# KiCad board hw-openmower-sabo.kicad_pcb (continued)
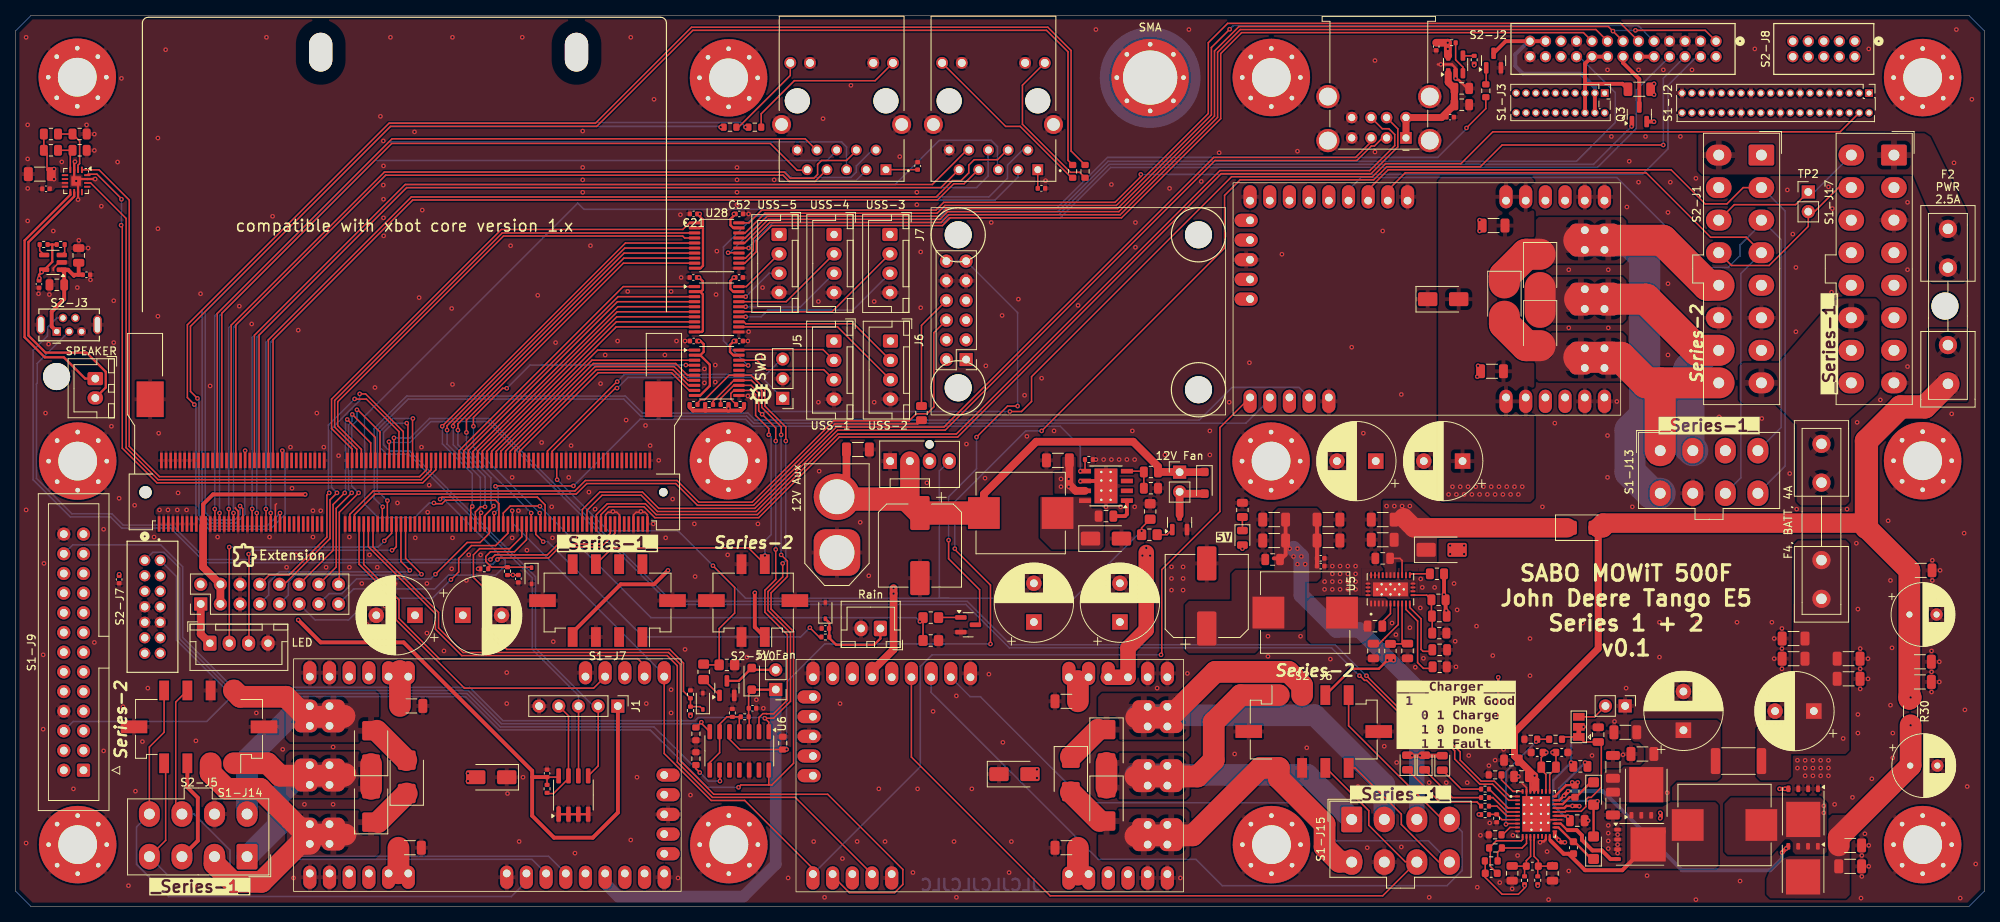
[diagram p0: board, top side]
## Routing (per net, layer and track width the routed paths; a pad name or vN(x,y) marks a point on that pad's centre or on a via; arc(x,y) is an arc through that point) (continued)
/V_CHARGE: length 344.1
  Top w0.2: v1(197.47,19.88) 196.82,19.23 C85.2 ; 196.82,17.66 197.42,17.06 U27.30 ; R54.2 64.86,42.77 ; C79.1 195.22,17.58
  Top w0.3: 195.92,16.88 196.42,16.38 U27.32 ; 195.92,16.88 195.42,16.38 U27.34 ; 195.92,16.88 U27.33 ; v1(191.27,29.58) 191.27,24.48 193.27,22.48 193.37,22.48
  Top w0.9: v1(195.97,16.88) 195.97,15.33 195.92,15.28 ; D28.2 204.17,33.28 193.37,22.48 193.37,19.43 C80.1 195.92,16.88
  Top w2.5: 238.21,49.48 204.77,49.48 D28.2 204.77,48.88 205.27,49.38
  Top w2.8: 244.31,26.81 244.31,26.82 v1(244.47,26.98) 244.31,27.15 R22.1 238.21,49.48
  Top w3: F2.2 246.31,64.48 243.17,64.48 238.77,60.08 238.77,48.92
  In2.Cu-PWR w0.2: v1(197.47,19.88) 197.47,19.93 198.12,20.58 231.37,20.58 234.57,23.78 241.37,23.78 244.47,26.88 v1(244.47,26.98)
  In2.Cu-PWR w0.3: v1(195.97,16.88) 195.17,16.88 190.17,11.88 v1(188.77,11.88) ; v1(191.27,29.58) 190.77,30.08 177.37,30.08 163.17,44.28 162.07,43.18 148.85,43.18 147.75,44.28 127.47,44.28 121.97,38.78 68.17,38.78 v1(64.17,42.78)
/~{WC}: length 13.1
  Top w0.2: 68.57,14.57 69.4,14.57 71.33,16.51 ; 70.09,25.86 71.33,24.61 71.33,16.86
Net-(D1-K): length 1.7
  Top w0.2: R19.1 D1.1
Net-(D2-A): length 15.2
  Top w0.3: D26.2 D2.2
  Bottom w0.3: v1(202.47,18.58) 199.11,15.22 199.11,14.03 199.49,13.65 204.01,13.65 v1(204.07,13.58)
Net-(D2-K): length 6.2
  Top w0.3: 200.89,8.36 199.04,10.21 U27.20 ; 201.09,8.36 203.32,6.13
Net-(D5-K): length 6
  Top w0.2: R34.1 186.5,15.16 184.06,17.6
Net-(D6-K): length 8.8
  Top w0.2: D6.1 185.36,14.06 R35.1
Net-(D21-K): length 11.3
  Top w0.3: 104.98,34.71 104.98,36.62 D21.1 ; 104.95,34.68 105.85,33.78 110.77,33.78 111.57,34.58 J17.1
Net-(D22-A): length 6.8
  Top w0.3: Q4.3 93.31,29.12 D22.2 ; 95.27,30.78 95.5,30.55 98.07,30.55
Net-(D25-A): length 6
  Top w1: D25.2 150.4,53.28 ; Q5.3 M2.2
Net-(D26-K): length 5.7
  Top w0.3: U27.26 199.59,13.21 200.49,14.11 C76.2 ; 201.29,14.11 203.22,16.03
Net-(D29-K): length 11.4
  Top w0.2: R76.1 188.53,13.48 183.73,13.48 D29.1
Net-(J16-VBUS1): length 14
  Top w0.9: J16.1 J16.5 183.96,101.82 C4.1 C3.1 184.82,106.38 U1.1
Net-(J23-P1): length 2.4
  Top w0.2: C22.2 131.87,95.09
Net-(J23-Pad11): length 20.1
  Top w0.2: J23.11 129.89,106 129.89,100.96 136.09,94.76 137.27,94.76 R11.2
Net-(J23-Pad14): length 22.8
  Top w0.2: 136.23,94.06 129.6,100.68 127.73,100.68 J23.14
Net-(J24-P1): length 4.1
  Top w0.2: C23.2 112.3,95.1
Net-(J24-Pad11): length 21.4
  Top w0.2: J24.11 110.89,106.58 100.47,106.58 96.19,102.31 R13.2
Net-(J24-Pad14): length 11.1
  Top w0.2: J24.14 99.94,107.26 93.27,100.58
Net-(JP1-B): length 4
  Top w0.2: JP1.3 203.7,24.48 TP1.2
Net-(Q1-D): length 58.3
  Top w0.2: 124.37,36.38 124.37,40.88 120.37,44.88 v1(120.37,47.28) ; v1(129.27,64.58) 127.97,64.58 v1(123.97,60.58)
  Bottom w0.2: v1(129.27,64.58) 129.27,76.65 U13.6 U13.12 ; v1(120.37,47.28) 120.37,52.88 123.97,56.48 v1(123.97,60.58)
Net-(Q1-G): length 2.8
  Top w0.2: 119.19,37.31 Q1.1
Net-(Q2-G): length 2.1
  Top w0.2: Q2.1 189.72,106.16
Net-(Q4-G): length 2.9
  Top w0.2: 88.78,29.28 Q4.1
Net-(Q5-G): length 2.2
  Top w0.2: R65.2 148.56,47.98 Q5.1
Net-(Q6-D): length 72.4
  Top w0.2: C85.1 198.72,19.43 v1(198.27,19.88) ; 197.91,14.87 197.91,17.02 198.72,17.83
  Top w2.8: v1(244.47,23.38) 244.47,18.24 C61.1 244.42,18.13 235.19,8.91 235.19,7.88
  In2.Cu-PWR w0.2: v1(244.47,23.38) 234.74,23.38 231.54,20.18 198.57,20.18 v1(198.27,19.88)
Net-(Q6-G): length 39
  Top w0.3: U27.27 199.17,13.71 v1(199.76,14.3) 199.73,14.3 199.36,13.92 ; v1(228.41,7.48) Q6.4
  Top w0.508: 199.76,14.32 200.27,14.83 ; v1(227.89,6.96) Q6.4
  Bottom w0.508: v1(199.76,14.3) 200.35,14.88 204.77,14.88 214.97,4.68 226.37,4.68 227.89,6.2 v1(227.89,6.96) v1(228.41,7.48)
  vias: v1(200.27,14.88)
Net-(Q7-D): length 40.6
  Top w0.3: U27.28 200.02,15.66 C76.1
  In2.Cu-PWR w1.016: v1(201.52,16.01) v1(200.82,16.01) 201.6,16.01 204.07,18.48 227.67,18.48 233.17,12.98 v1(233.27,12.98) v1(233.27,12.08)
Net-(Q7-G): length 34.1
  Top w0.3: U27.25 199.79,12.71 200.07,12.98 v1(200.84,12.98)
  Top w0.508: v1(200.84,12.98) 201.7,12.98 ; v1(227.57,15.18) Q7.4 v1(228.27,15.18)
  In2.Cu-PWR w1.016: v1(200.84,12.98) 201.77,12.98 205.07,16.28 226.47,16.28 v1(227.57,15.18) v1(228.27,15.18)
  vias: v1(201.73,12.95)
Net-(Q8-D): length 25.1
  In2.Cu-PWR w0.5: v1(196.37,2.68) 205.67,2.68 213.97,10.98 213.97,13.78 v1(213.07,14.68)
Net-(Q8-G): length 18
  Top w0.5: v1(199.87,8.28) 199.37,8.28 v1(199.07,8.58) 198.57,9.08 198.57,9.48
  In2.Cu-PWR w1.016: v1(212.17,12.08) v1(212.17,11.38) 212.08,11.48 205.05,11.48 204.46,10.89 204.46,10.87 202.17,8.58 v1(199.07,8.58) 199.57,8.58 v1(199.87,8.28)
Net-(Q9-D): length 18.5
  Top w0.3: U27.18 197.92,8.6 198.03,8.48
  Top w0.5: 211.01,8.02 212.66,9.67
  Top w0.508: 198.03,8.48 199.71,6.81 200.34,6.81 202.47,4.68 207.28,4.68 Q9.5
Net-(Q9-G): length 10.3
  Top w0.3: 200.17,9.86 199.32,10.71 U27.21
  Top w0.508: Q9.4 205.75,6.11 204.63,7.24 203.42,7.24 202.07,8.58 202.07,9.18 201.4,9.86 200.24,9.86
Net-(S2-J2-Pin_6): length 193.2
  Top w0.2: U6.5 92.1,21.58 93.42,20.26 99.45,20.26 v1(99.47,20.28) ; v1(212.57,98.28) 191.77,98.28 188.97,95.48 176.9,95.48 175.2,93.78 157.97,93.78 155.97,91.78 155.97,84.98 v1(132.37,61.38) ; v1(125.77,33.88) 125.77,41.48 121.17,46.08 v1(121.17,46.18)
  Bottom w0.2: v1(121.17,46.18) 121.17,52.23 130.32,61.38 v1(132.37,61.38) ; S2-J2.6 212.57,106.88 v1(212.57,98.28) ; v1(125.77,33.88) 104.39,33.88 99.47,28.96 v1(99.47,20.28)
Net-(S2-J3-VBUS): length 13.7
  Top w0.5: S2-J3.1 4.67,74.86 4.67,76.78 6.28,78.4 C6.1 6.28,81.87 U2.1 6.77,82.18 7.54,81.42 7.65,81.53 8.15,81.53 ; 8.15,81.53 C8.2 ; 8.15,81.53 C7.1
Net-(S2-J7-Pin_1): length 89.5
  Top w0.2: 87.79,23.11 v1(88.47,23.78) 88.47,23.65 U6.7
  Bottom w0.2: v1(88.47,23.78) 88.27,23.58 62.7,23.58 58.4,27.88 27.84,27.88 21.17,34.55 21.17,43.68 19.15,45.71 17.69,45.71 S2-J7.1
Net-(S2-J7-Pin_2): length 91.5
  Top w0.2: v1(88.27,17.28) 87.77,17.78 87.77,18.36 ; v1(90.87,16.18) 90.87,17.57
  Bottom w0.2: S2-J7.2 20.77,42.58 20.77,34.38 27.67,27.48 58.24,27.48 62.54,23.18 82.37,23.18 v1(88.27,17.28) 89.37,16.18 v1(90.87,16.18)
Net-(U1-EN): length 1.4
  Top w0.2: R1.1 186.75,109.79
Net-(U1-~{FLT}): length 4.3
  Top w0.2: R3.2 185.78,109.27 186.72,108.33 U1.3
Net-(U2-EN): length 1.6
  Top w0.2: R2.1 3.12,84.66 U2.4
Net-(U2-~{FLT}): length 1.5
  Top w0.2: R4.2 6.34,84.46 U2.3
Net-(U3-GAIN_SLOT): length 7
  Top w0.2: R7.2 R8.1 8.27,98.79 8.27,95.88 8.07,95.68 U3.2
Net-(U3-~{SD_MODE}): length 4.1
  Top w0.2: R6.1 R5.2 ; U3.4 7.07,97.32
Net-(U4-BOOT): length 3.6
  Top w0.5: U4.1 143.37,50.63 143.12,50.38 C12.1
Net-(U4-VSENSE): length 4.2
  Top w0.2: R44.2 R45.1 ; U4.4 145.45,56.19
Net-(U5-CBOOT): length 2.8
  Top w0.2: 176.32,36.75 177.37,37.8 U5.6
Net-(U5-FB): length 6.7
  Top w0.2: 182.66,37.55 R17.2 182.06,40.18 U5.12 ; 182.76,37.3 R18.1
Net-(U5-PGOOD): length 2.7
  Top w0.2: R16.1 180.04,42.93 U5.16
Net-(U5-RT): length 10.1
  Top w0.2: 179.37,39.11 179.37,38.33 180.87,36.83 180.87,31.48 181.62,30.73 182.46,30.73
Net-(U5-SS_TRK): length 7.7
  Top w0.2: U5.11 179.87,38.58 181.32,37.13 181.32,33.18 181.57,32.93 182.42,32.93
Net-(U5-VCC): length 6.9
  Top w0.2: C28.2 175.92,33.93 176.37,34.38 176.37,34.39 176.69,34.71 176.69,34.71 178.37,36.38 U5.8
Net-(U13-TXD): length 15
  Top w0.2: R58.1 116.87,75 U13.10
Net-(U27-FSW_SYNC): length 4
  Top w0.2: R74.2 191.69,16.33 193.17,14.86 U27.36
Net-(U27-ICHG): length 2.3
  Top w0.2: U27.9 192.79,10.21 191.84,9.26
Net-(U27-~{CE}): length 3.9
  Top w0.2: 190.12,11.89 R75.1 191.76,11.21 U27.7

## Copper pours and planes (outline as drawn; the poured copper is in the pictures)
+36V on Top, In2.Cu-PWR: 217.07,94.48 244.8,94.48 246.9,89.58 246.77,80.53 251.79,80.58 251.77,89.58 246.77,99.79 217.07,100.09
/5V on Top: 4.83,92.33 5.13,92.73 6.79,92.77 6.79,93.52 5.55,93.52 5.55,95.43 4.08,95.43 4.09,92.33
/5V on Top: 160.37,32.68 160.37,35.68 166.37,35.68 166.37,41.93 168.37,41.93 168.37,51.43 162.37,51.43 162.37,43.43 156.87,43.43 156.87,39.43 150.87,39.43 150.87,32.68
/5V on Top: 18.07,51.68 23.57,51.68 23.57,49.08 18.07,49.08
/5V on In2.Cu-PWR: 139.97,32.88 144.77,32.88 144.77,1.18 139.97,1.18
/5V on In2.Cu-PWR: 46.97,32.98 41.77,32.98 41.67,32.88 41.67,1.28 46.87,1.28 46.97,1.38
/VBATT on Top: 195.92,52.18 195.92,94.18 183.52,94.18 183.52,52.28
/VBATT on Top: 224.62,16.28 224.62,23.43 227.91,23.43 229.23,25.01 229.43,47.23 236.57,47.29 236.57,19.68 229.07,19.68 229.07,16.29
/VBATT on In2.Cu-PWR: 47.47,35.18 50.07,40.27 58.87,40.25 61.57,35.18 61.57,1.28 47.47,1.28
/VBATT on In2.Cu-PWR: 236.65,47.28 195.92,47.28 195.92,54.98 183.52,54.98 183.52,55.48 183.55,45.41 189.65,37.52 236.65,37.59
/VBATT on In2.Cu-PWR: 129.37,37.08 129.37,1.18 139.77,1.18 139.77,37.08
/VIN on Top: 179.99,52.43 183.37,49.33 183.37,44.43 178.12,44.43 178.12,42.43 176.62,42.43 176.62,43.68 176.37,43.95 176.37,52.43
/VIN on Top, In2.Cu-PWR: 136.77,53.28 136.77,58.03 135.02,58.03 135.02,56.08 134.02,56.08 134.02,53.28
GND on Top: 173.67,43.68 180.97,43.68 180.97,39.68 173.67,39.68
GND on Top, Bottom, In1.Cu-GND, In2.Cu-PWR: -2,117 256,117 256,-2 -2,-2
+BATT on Top, In2.Cu-PWR: 227.5,70.18 234.7,78.48 240.47,78.48 240.47,66.48 236.57,62.98 236.57,51.78 229.77,51.78 229.77,62.18 227.07,64.88 222.37,64.88 222.37,70.18
/RobotConnectors/MC_PHASE.U on Top: 207.79,74.08 207.79,67.78 195.99,67.78 195.99,74.08
/RobotConnectors/MC_PHASE.V on Top: 207.79,81.28 207.79,75.28 195.99,75.28 195.99,81.28
/RobotConnectors/MC_PHASE.W on Top, Bottom: 207.79,88.98 207.79,82.98 195.99,82.98 195.99,88.98
/RobotConnectors/ML_PHASE.U on Top, Bottom: 34.9,21.2 34.9,27.8 46.9,27.8 46.9,21.2
/RobotConnectors/ML_PHASE.V on Top, Bottom: 34.9,14 34.9,20 46.9,20 46.9,14
/RobotConnectors/ML_PHASE.W on Top: 35,6.4 35,12.4 46.9,12.4 46.9,6.4
/RobotConnectors/MR_PHASE.U on Top: 151.45,12.63 151.45,6.03 139.65,6.03 139.65,12.63
/RobotConnectors/MR_PHASE.V on Top, Bottom: 151.45,19.83 151.45,13.83 139.65,13.83 139.65,19.83
/RobotConnectors/MR_PHASE.W on Top, Bottom: 151.45,27.53 151.45,21.53 139.65,21.53 139.65,27.53
/V_CHARGE on Top: 246.77,74.58 251.77,74.58 251.77,65.18 246.77,65.18
Net-(C29-Pad2) on Top: 175.4,36.57 177.12,38.28 177.12,39.88 166.62,39.88 166.62,33.93 173.87,33.93 175.39,35.48
Net-(D16-K) on Top: 132.17,52.88 138.77,52.88 138.77,51.48 138.87,51.38 140.07,51.38 140.37,51.08 140.37,46.48 139.97,46.08 133.67,46.08 132.17,47.58
Net-(Q6-D) on Top: 233.86,6.52 228.3,6.5 225.86,4.07 225.86,1.07 236.61,1.02 236.61,11.82 233.86,11.82
Net-(Q7-D) on Top: 229.66,6.67 229.26,7.07 229.26,8.27 228.86,8.67 228.26,8.67 226.46,6.67 220.86,6.67 220.46,7.07 220.46,13.27 221.26,14.07 232.86,14.07 233.66,13.27 233.66,7.07 233.26,6.67
Net-(Q8-D) on Top: 213.46,13.67 213.46,15.47 214.26,16.27 219.46,16.27 219.96,16.67 219.96,23.67 219.46,24.07 208.77,24.07 208.36,23.84 208.36,21.7 208.79,21.27 209.46,21.27 210.26,20.47 210.26,18.67 209.66,18.07 207.46,18.07 207.06,17.67 205.26,17.67 204.86,17.27 204.86,13.87 205.26,13.47 213.06,13.47
Net-(Q9-D) on Top: 207.86,12.87 207.86,5.27 208.26,4.87 219.26,4.87 219.66,5.27 219.66,13.07 219.26,13.47 213.46,13.47 212.46,12.87

## Text on the board
Bottom: JLCJLCJLCJLC
User.Comments: Common track widths / |       |       | VCarge |  VBat  | / Oz  |   1A  |  2A   |   3A   |   4.5  | / --------------------------------------- / 1   | 0.8mm | 2.1mm | 3.6mm  |  6.3mm | / 0.5 | 1.6mm | 4.1mm | 7.2mm  | 12.4mm |
F.Silkscreen: USS-5 | USS-4 | USS-1 | USS-3 | USS-2 | SPEAKER | LED | 5V Fan | Rain | SMA | 12V Fan | F2 / PWR / 2.5A | OpenMower Mainboard ${git_version} / License CC BY 4.0 / https://github.com/ClemensElflein/OpenMower | 12V Aux | F4, BATT, 4A | Extension | SWD | compatible with xbot core version 1.x | _Series-1_ | Series-2 | SABO MOWiT 500F / John Deere Tango E5 / Series 1 + 2 / v0.1 | 5V | ____Charger____ / 1     PWR Good / 0 1 Charge / 1 0 Done / 1 1 Fault
